# Altium PCB NZPP.PcbDoc (part 2 of 3) (continued)
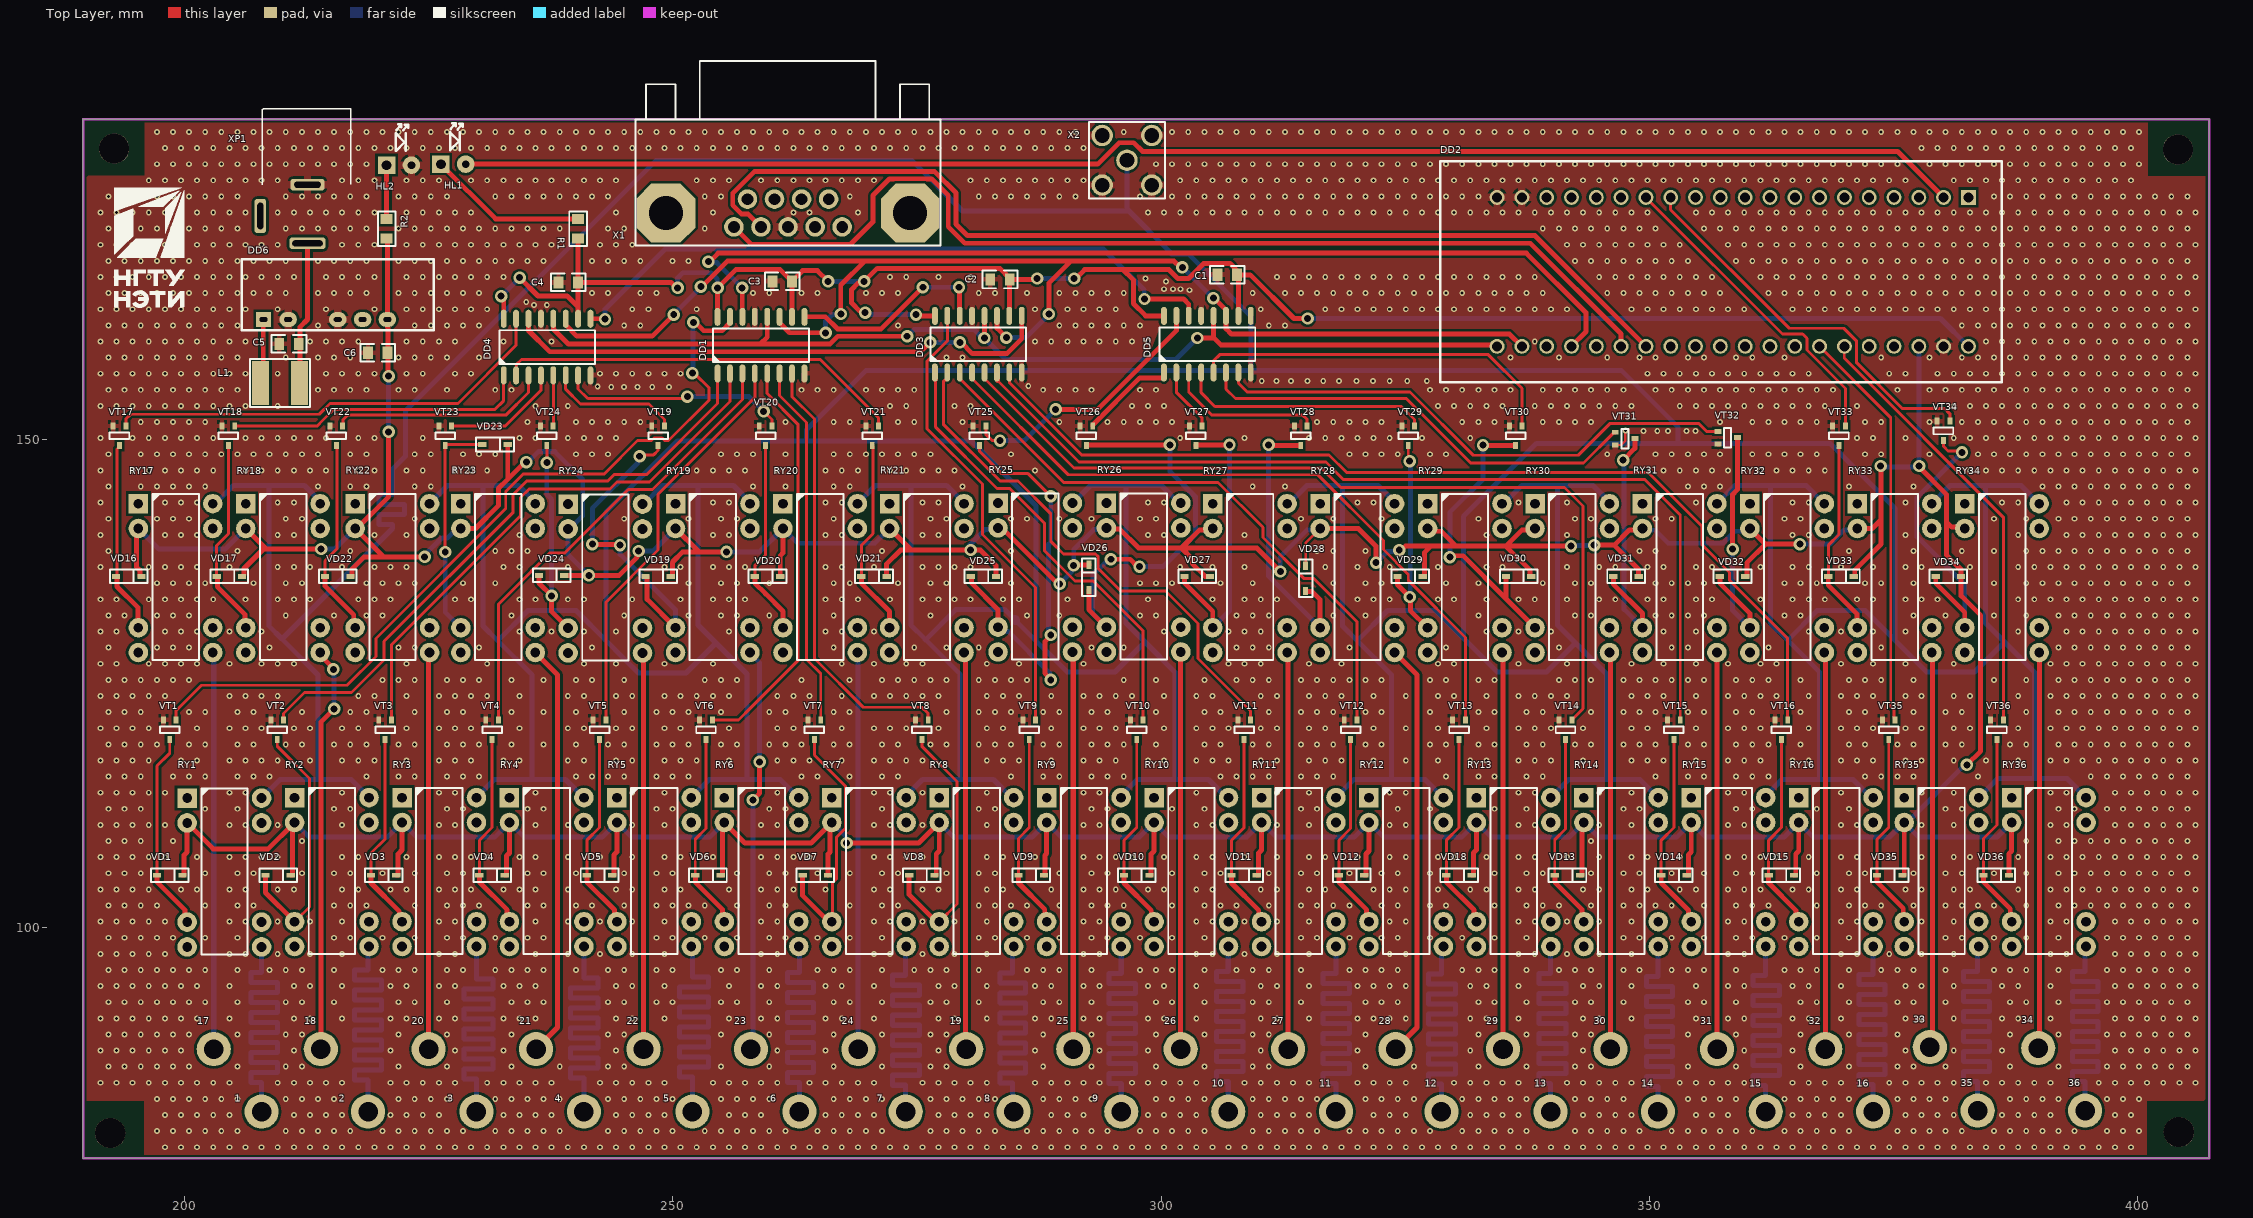
[diagram p0: Top Layer view]
## Nets (pads, with @x,y where several pads share a name; then routed paths per layer and width w, separated by ;. In a path a pad name is that pad's centre, name@x,y a point inside that pad or via, vN(x,y) a via of type N, cw(c..) or ccw(c..) an arc to the next point about the centre after c; other vN are vias at no path point) (continued)
249.975,115.5 251.625,115.5 263.175,115.5 264.825,115.5 268.108,115.5 271.425,115.5 273.075,115.5 284.625,115.5 287.925,115.5 289.575,115.5 292.875,115.5 294.525,115.5 296.175,115.5 306.075,115.5 307.725,115.5 309.375,115.5 311.025,115.5 314.325,115.5 315.975,115.5 317.625,115.5 329.175,115.5 332.475,115.5 334.125,115.5 337.425,115.5 339.075,115.5 350.625,115.5 353.925,115.5 355.575,115.5 358.875,115.5 360.525,115.5 362.175,115.5 372.075,115.5 373.725,115.5 375.375,115.5 377.025,115.5 383.625,115.5 395.175,115.5 396.825,115.5 398.475,115.5 400.125,115.5 401.775,115.5 403.425,115.5 405.075,115.5 191.4,117.15 193.05,117.15 194.7,117.15 196.35,117.15 199.65,117.15 201.3,117.15 204.6,117.15 206.25,117.15 207.9,117.15 209.55,117.15 212.85,117.15 216.15,117.15 217.8,117.15 219.45,117.15 222.75,117.15 226.05,117.15 227.7,117.15 229.35,117.15 232.65,117.15 234.3,117.15 239.25,117.15 240.9,117.15 244.2,117.15 245.85,117.15 249.15,117.15 250.8,117.15 252.45,117.15 255.75,117.15 260.7,117.15 262.35,117.15 264,117.15 267.3,117.15 270.6,117.15 272.25,117.15 273.9,117.15 275.55,117.15 282.15,117.15 283.8,117.15 285.45,117.15 288.75,117.15 292.05,117.15 293.7,117.15 295.35,117.15 298.65,117.15 300.3,117.15 303.6,117.15 305.25,117.15 306.9,117.15 310.2,117.15 311.85,117.15 315.15,117.15 316.8,117.15 318.45,117.15 321.75,117.15 325.05,117.15 328.35,117.15 331.65,117.15 333.3,117.15 336.6,117.15 338.25,117.15 339.9,117.15 343.2,117.15 348.15,117.15 349.8,117.15 351.45,117.15 354.75,117.15 358.05,117.15 359.7,117.15 361.35,117.15 364.65,117.15 366.3,117.15 369.6,117.15 371.25,117.15 372.9,117.15 376.2,117.15 377.85,117.15 381.15,117.15 384.45,117.15 387.75,117.15 391.05,117.15 392.7,117.15 394.35,117.15 396,117.15 397.65,117.15 399.3,117.15 400.95,117.15 402.6,117.15 404.25,117.15 405.9,117.15 192.225,118.8 193.875,118.8 195.525,118.8 197.175,118.8 200.475,118.8 202.125,118.8 205.425,118.8 207.075,118.8 210.375,118.8 212.025,118.8 215.325,118.8 216.975,118.8 218.625,118.8 221.925,118.8 223.575,118.8 226.875,118.8 228.525,118.8 230.175,118.8 233.475,118.8 236.775,118.8 240.075,118.8 243.375,118.8 245.025,118.8 248.325,118.8 249.975,118.8 251.625,118.8 254.925,118.8 256.575,118.8 259.875,118.8 261.525,118.8 263.175,118.8 266.475,118.8 268.108,118.8 271.425,118.8 273.075,118.8 276.375,118.8 278.025,118.8 281.325,118.8 282.975,118.8 284.625,118.8 287.925,118.8 289.575,118.8 292.875,118.8 294.525,118.8 296.175,118.8 299.475,118.8 304.425,118.8 306.075,118.8 309.375,118.8 311.025,118.8 314.325,118.8 315.975,118.8 317.625,118.8 320.925,118.8 322.575,118.8 327.525,118.8 329.175,118.8 332.475,118.8 334.125,118.8 337.425,118.8 339.075,118.8 342.375,118.8 344.025,118.8 347.325,118.8 348.975,118.8 350.625,118.8 353.925,118.8 355.575,118.8 358.875,118.8 360.525,118.8 362.175,118.8 365.475,118.8 370.425,118.8 372.075,118.8 375.375,118.8 377.025,118.8 380.325,118.8 381.975,118.8 386.925,118.8 388.575,118.8 391.875,118.8 393.525,118.8 395.175,118.8 396.825,118.8 398.475,118.8 400.125,118.8 401.775,118.8 403.425,118.8 405.075,118.8 191.4,120.45 193.05,120.45 194.7,120.45 196.35,120.45 201.3,120.45 204.6,120.45 206.25,120.45 207.9,120.45 211.2,120.45 212.85,120.45 216.15,120.45 217.8,120.45 222.75,120.45 226.05,120.45 227.7,120.45 229.35,120.45 234.3,120.45 239.25,120.45 240.9,120.45 244.2,120.45 245.85,120.45 249.15,120.45 250.8,120.45 255.75,120.45 260.7,120.45 262.35,120.45 267.3,120.45 270.6,120.45 272.25,120.45 273.9,120.45 277.2,120.45 282.15,120.45 283.8,120.45 288.75,120.45 292.05,120.45 293.7,120.45 295.35,120.45 300.3,120.45 303.6,120.45 305.25,120.45 306.9,120.45 310.2,120.45 311.85,120.45 315.15,120.45 316.8,120.45 321.75,120.45 325.05,120.45 328.35,120.45 333.3,120.45 336.6,120.45 338.25,120.45 339.9,120.45 343.2,120.45 348.15,120.45 349.8,120.45 354.75,120.45 358.05,120.45 359.7,120.45 361.35,120.45 366.3,120.45 369.6,120.45 371.25,120.45 372.9,120.45 376.2,120.45 377.85,120.45 381.15,120.45 382.8,120.45 387.75,120.45 391.05,120.45 392.7,120.45 394.35,120.45 396,120.45 397.65,120.45 399.3,120.45 400.95,120.45 402.6,120.45 404.25,120.45 405.9,120.45 192.225,122.1 193.875,122.1 195.525,122.1 200.475,122.1 202.125,122.1 205.425,122.1 207.075,122.1 212.025,122.1 216.975,122.1 218.625,122.1 223.575,122.1 226.875,122.1 228.525,122.1 233.475,122.1 236.775,122.1 240.075,122.1 245.025,122.1 248.325,122.1 249.975,122.1 251.625,122.1 254.925,122.1 259.875,122.1 261.525,122.1 266.475,122.1 268.108,122.1 278.025,122.1 281.325,122.1 282.975,122.1 284.625,122.1 287.925,122.1 289.575,122.1 292.875,122.1 294.525,122.1 299.475,122.1 304.425,122.1 306.075,122.1 311.025,122.1 314.325,122.1 315.975,122.1 317.625,122.1 320.925,122.1 322.575,122.1 327.525,122.1 332.475,122.1 334.125,122.1 337.425,122.1 339.075,122.1 344.025,122.1 347.325,122.1 348.975,122.1 350.625,122.1 353.925,122.1 355.575,122.1 358.875,122.1 360.525,122.1 365.475,122.1 370.425,122.1 372.075,122.1 377.025,122.1 380.325,122.1 381.975,122.1 388.575,122.1 391.875,122.1 393.525,122.1 395.175,122.1 396.825,122.1 398.475,122.1 400.125,122.1 401.775,122.1 403.425,122.1 405.075,122.1 191.4,123.75 193.05,123.75 194.7,123.75 196.35,123.75 198,123.75 204.6,123.75 206.25,123.75 207.9,123.75 209.55,123.75 217.8,123.75 219.45,123.75 222.75,123.75 226.05,123.75 227.7,123.75 229.35,123.75 231,123.75 234.3,123.75 239.25,123.75 240.9,123.75 244.2,123.75 245.85,123.75 249.15,123.75 250.8,123.75 252.45,123.75 254.1,123.75 255.75,123.75 260.7,123.75 262.35,123.75 264,123.75 267.3,123.75 270.6,123.75 272.25,123.75 273.9,123.75 275.55,123.75 277.2,123.75 282.15,123.75 283.8,123.75 285.45,123.75 288.75,123.75 292.05,123.75 293.7,123.75 295.35,123.75 297,123.75 300.3,123.75 303.6,123.75 305.25,123.75 310.2,123.75 311.85,123.75 315.15,123.75 316.8,123.75 318.45,123.75 321.75,123.75 325.05,123.75 328.35,123.75 330,123.75 333.3,123.75 336.6,123.75 338.25,123.75 339.9,123.75 341.55,123.75 348.15,123.75 349.8,123.75 351.45,123.75 354.75,123.75 358.05,123.75 359.7,123.75 361.35,123.75 363,123.75 366.3,123.75 369.6,123.75 371.25,123.75 372.9,123.75 376.2,123.75 377.85,123.75 381.15,123.75 382.8,123.75 387.75,123.75 391.05,123.75 392.7,123.75 394.35,123.75 396,123.75 397.65,123.75 399.3,123.75 400.95,123.75 402.6,123.75 404.25,123.75 405.9,123.75 192.225,125.4 193.875,125.4 195.525,125.4 197.175,125.4 198.825,125.4 200.475,125.4 220.275,125.4 221.925,125.4 223.575,125.4 226.875,125.4 228.525,125.4 230.175,125.4 233.475,125.4 236.775,125.4 240.075,125.4 241.725,125.4 245.025,125.4 253.275,125.4 254.925,125.4 256.575,125.4 263.175,125.4 268.108,125.4 271.425,125.4 273.075,125.4 274.725,125.4 276.375,125.4 278.025,125.4 281.325,125.4 282.975,125.4 284.625,125.4 286.275,125.4 296.175,125.4 299.475,125.4 304.425,125.4 307.725,125.4 309.375,125.4 311.025,125.4 314.325,125.4 315.975,125.4 317.625,125.4 319.275,125.4 320.925,125.4 322.575,125.4 327.525,125.4 329.175,125.4 332.475,125.4 334.125,125.4 340.725,125.4 342.375,125.4 344.025,125.4 347.325,125.4 348.975,125.4 350.625,125.4 352.275,125.4 353.925,125.4 355.575,125.4 358.875,125.4 360.525,125.4 362.175,125.4 365.475,125.4 370.425,125.4 372.075,125.4 373.725,125.4 377.025,125.4 385.275,125.4 388.575,125.4 391.875,125.4 393.525,125.4 395.175,125.4 396.825,125.4 398.475,125.4 400.125,125.4 401.775,125.4 403.425,125.4 405.075,125.4 191.4,127.05 193.05,127.05 196.35,127.05 198,127.05 199.65,127.05 201.3,127.05 204.6,127.05 207.9,127.05 209.55,127.05 211.2,127.05 222.75,127.05 231,127.05 240.9,127.05 244.2,127.05 249.15,127.05 254.1,127.05 267.3,127.05 270.6,127.05 273.9,127.05 275.55,127.05 282.15,127.05 285.45,127.05 292.05,127.05 306.9,127.05 308.55,127.05 310.2,127.05 315.15,127.05 318.45,127.05 328.35,127.05 330,127.05 336.6,127.05 341.55,127.05 348.15,127.05 351.45,127.05 354.75,127.05 358.05,127.05 361.35,127.05 363,127.05 369.6,127.05 372.9,127.05 376.2,127.05 381.15,127.05 391.05,127.05 392.7,127.05 394.35,127.05 396,127.05 397.65,127.05 399.3,127.05 400.95,127.05 402.6,127.05 404.25,127.05 405.9,127.05 192.225,128.7 197.175,128.7 198.825,128.7 200.475,128.7 208.725,128.7 221.925,128.7 223.575,128.7 230.175,128.7 241.725,128.7 266.475,128.7 274.725,128.7 278.025,128.7 281.325,128.7 292.875,128.7 296.175,128.7 307.725,128.7 309.375,128.7 311.025,128.7 319.275,128.7 329.175,128.7 340.725,128.7 352.275,128.7 353.925,128.7 362.175,128.7 373.725,128.7 391.875,128.7 393.525,128.7 395.175,128.7 396.825,128.7 398.475,128.7 400.125,128.7 401.775,128.7 403.425,128.7 405.075,128.7 191.4,130.35 193.05,130.35 198,130.35 199.65,130.35 201.3,130.35 204.6,130.35 207.9,130.35 234.3,130.35 237.6,130.35 240.9,130.35 244.2,130.35 255.75,130.35 265.65,130.35 267.3,130.35 270.6,130.35 300.3,130.35 306.9,130.35 308.55,130.35 310.2,130.35 333.3,130.35 336.6,130.35 339.9,130.35 351.45,130.35 354.75,130.35 366.3,130.35 369.6,130.35 372.9,130.35 376.2,130.35 387.75,130.35 392.7,130.35 394.35,130.35 396,130.35 397.65,130.35 399.3,130.35 400.95,130.35 402.6,130.35 404.25,130.35 405.9,130.35 192.225,132 193.875,132 197.175,132 198.825,132 200.475,132 210.375,132 215.325,132 218.625,132 220.275,132 233.475,132 245.025,132 251.625,132 254.925,132 256.575,132 259.875,132 266.475,132 276.375,132 286.275,132 289.575,132 297.825,132 299.475,132 307.725,132 309.375,132 311.025,132 317.625,132 320.925,132 332.475,132 342.375,132 344.025,132 350.625,132 352.275,132 353.925,132 355.575,132 363.825,132 365.475,132 377.025,132 380.325,132 385.275,132 388.575,132 391.875,132 393.525,132 395.175,132 396.825,132 398.475,132 400.125,132 401.775,132 403.425,132 405.075,132 191.4,133.65 193.05,133.65 196.35,133.65 198,133.65 199.65,133.65 201.3,133.65 202.95,133.65 206.25,133.65 209.55,133.65 211.2,133.65 212.85,133.65 217.8,133.65 219.45,133.65 221.1,133.65 227.7,133.65 229.35,133.65 234.3,133.65 235.95,133.65 239.25,133.65 240.9,133.65 245.85,133.65 250.8,133.65 254.1,133.65 255.75,133.65 257.4,133.65 265.65,133.65 267.3,133.65 268.95,133.65 272.25,133.65 275.55,133.65 277.2,133.65 278.85,133.65 280.5,133.65 283.8,133.65 285.45,133.65 290.4,133.65 298.65,133.65 305.25,133.65 308.55,133.65 310.2,133.65 311.85,133.65 320.1,133.65 321.75,133.65 323.4,133.65 328.35,133.65 330,133.65 333.3,133.65 336.6,133.65 338.25,133.65 341.55,133.65 344.85,133.65 346.5,133.65 349.8,133.65 351.45,133.65 354.75,133.65 356.4,133.65 361.35,133.65 364.65,133.65 366.3,133.65 367.95,133.65 371.25,133.65 372.9,133.65 376.2,133.65 377.85,133.65 379.5,133.65 387.75,133.65 389.4,133.65 391.05,133.65 392.7,133.65 394.35,133.65 396,133.65 397.65,133.65 399.3,133.65 400.95,133.65 402.6,133.65 404.25,133.65 405.9,133.65 197.175,135.3 198.825,135.3 200.475,135.3 202.125,135.3 207.075,135.3 210.375,135.3 212.025,135.3 218.625,135.3 220.275,135.3 221.925,135.3 223.575,135.3 228.525,135.3 231.825,135.3 251.625,135.3 254.925,135.3 256.575,135.3 259.875,135.3 266.475,135.3 268.125,135.3 273.075,135.3 276.375,135.3 278.025,135.3 284.625,135.3 297.825,135.3 299.475,135.3 301.125,135.3 306.075,135.3 309.375,135.3 317.625,135.3 320.925,135.3 322.575,135.3 329.175,135.3 332.475,135.3 339.075,135.3 342.375,135.3 344.025,135.3 350.625,135.3 352.275,135.3 353.925,135.3 355.575,135.3 363.825,135.3 365.475,135.3 367.125,135.3 372.075,135.3 373.725,135.3 377.025,135.3 385.275,135.3 388.575,135.3 390.225,135.3 391.875,135.3 393.525,135.3 395.175,135.3 396.825,135.3 398.475,135.3 400.125,135.3 401.775,135.3 403.425,135.3 405.075,135.3 191.4,136.95 196.35,136.95 198,136.95 199.65,136.95 201.3,136.95 204.6,136.95 209.55,136.95 211.2,136.95 212.85,136.95 216.15,136.95 219.45,136.95 221.1,136.95 222.75,136.95 232.65,136.95 234.3,136.95 239.25,136.95 249.15,136.95 250.8,136.95 254.1,136.95 255.75,136.95 257.4,136.95 265.65,136.95 267.3,136.95 270.6,136.95 275.55,136.95 277.2,136.95 278.85,136.95 280.5,136.95 301.95,136.95 305.25,136.95 308.55,136.95 316.8,136.95 320.1,136.95 323.4,136.95 328.35,136.95 333.3,136.95 334.95,136.95 341.55,136.95 344.85,136.95 346.5,136.95 349.8,136.95 351.45,136.95 354.75,136.95 356.4,136.95 361.35,136.95 364.65,136.95 366.3,136.95 369.6,136.95 372.9,136.95 376.2,136.95 377.85,136.95 382.8,136.95 387.75,136.95 389.4,136.95 391.05,136.95 392.7,136.95 394.35,136.95 396,136.95 397.65,136.95 399.3,136.95 400.95,136.95 402.6,136.95 404.25,136.95 405.9,136.95 192.225,138.6 205.425,138.6 216.975,138.6 231.825,138.6 233.475,138.6 235.125,138.6 271.425,138.6 284.625,138.6 315.975,138.6 317.625,138.6 320.925,138.6 348.975,138.6 350.625,138.6 370.425,138.6 377.025,138.6 381.975,138.6 385.275,138.6 388.575,138.6 390.225,138.6 391.875,138.6 393.525,138.6 395.175,138.6 396.825,138.6 398.475,138.6 400.125,138.6 401.775,138.6 403.425,138.6 405.075,138.6 191.4,140.25 198,140.25 199.65,140.25 201.3,140.25 209.55,140.25 211.2,140.25 219.45,140.25 222.75,140.25 234.3,140.25 254.1,140.25 255.75,140.25 265.65,140.25 267.3,140.25 275.55,140.25 277.2,140.25 298.65,140.25 300.3,140.25 308.55,140.25 333.3,140.25 341.55,140.25 364.65,140.25 366.3,140.25 376.2,140.25 387.75,140.25 392.7,140.25 394.35,140.25 396,140.25 397.65,140.25 399.3,140.25 400.95,140.25 402.6,140.25 404.25,140.25 405.9,140.25 192.225,141.9 197.175,141.9 198.825,141.9 200.475,141.9 210.375,141.9 212.025,141.9 223.575,141.9 245.025,141.9 251.625,141.9 254.925,141.9 256.575,141.9 266.475,141.9 276.375,141.9 278.025,141.9 284.625,141.9 286.275,141.9 289.575,141.9 292.875,141.9 297.825,141.9 299.475,141.9 314.325,141.9 317.625,141.9 322.575,141.9 332.475,141.9 342.375,141.9 344.025,141.9 350.625,141.9 352.275,141.9 363.825,141.9 365.475,141.9 385.275,141.9 388.575,141.9 391.875,141.9 393.525,141.9 395.175,141.9 396.825,141.9 398.475,141.9 400.125,141.9 401.775,141.9 403.425,141.9 405.075,141.9 191.4,143.55 198,143.55 199.65,143.55 201.3,143.55 209.55,143.55 211.2,143.55 254.1,143.55 255.75,143.55 265.65,143.55 267.3,143.55 275.55,143.55 277.2,143.55 298.65,143.55 300.3,143.55 320.1,143.55 321.75,143.55 336.6,143.55 341.55,143.55 354.75,143.55 364.65,143.55 366.3,143.55 376.2,143.55 386.1,143.55 387.75,143.55 392.7,143.55 394.35,143.55 396,143.55 397.65,143.55 399.3,143.55 400.95,143.55 402.6,143.55 404.25,143.55 405.9,143.55 192.225,145.2 195.525,145.2 197.175,145.2 198.825,145.2 200.475,145.2 202.125,145.2 213.675,145.2 216.975,145.2 218.625,145.2 223.575,145.2 225.225,145.2 258.225,145.2 261.525,145.2 266.475,145.2 268.125,145.2 279.675,145.2 309.375,145.2 312.675,145.2 353.925,145.2 355.575,145.2 357.225,145.2 370.425,145.2 377.025,145.2 390.225,145.2 391.875,145.2 393.525,145.2 395.175,145.2 396.825,145.2 398.475,145.2 400.125,145.2 401.775,145.2 403.425,145.2 405.075,145.2 191.4,146.85 194.7,146.85 196.35,146.85 198,146.85 199.65,146.85 201.3,146.85 202.95,146.85 206.25,146.85 207.9,146.85 209.55,146.85 211.2,146.85 212.85,146.85 214.5,146.85 217.8,146.85 219.45,146.85 222.75,146.85 224.4,146.85 227.7,146.85 229.35,146.85 231,146.85 252.45,146.85 254.1,146.85 255.75,146.85 257.4,146.85 260.7,146.85 265.65,146.85 267.3,146.85 268.95,146.85 272.25,146.85 273.9,146.85 275.55,146.85 277.2,146.85 278.85,146.85 287.1,146.85 351.45,146.85 353.1,146.85 354.75,146.85 356.4,146.85 358.05,146.85 361.35,146.85 363,146.85 364.65,146.85 366.3,146.85 367.95,146.85 382.8,146.85 384.45,146.85 386.1,146.85 387.75,146.85 389.4,146.85 391.05,146.85 392.7,146.85 394.35,146.85 396,146.85 397.65,146.85 399.3,146.85 400.95,146.85 402.6,146.85 404.25,146.85 405.9,146.85 192.225,148.5 195.525,148.5 197.175,148.5 198.825,148.5 200.475,148.5 202.125,148.5 203.775,148.5 205.425,148.5 207.075,148.5 208.725,148.5 210.375,148.5 212.025,148.5 213.675,148.5 216.975,148.5 218.625,148.5 223.575,148.5 225.225,148.5 228.525,148.5 230.175,148.5 231.825,148.5 240.075,148.5 241.725,148.5 243.375,148.5 254.925,148.5 256.575,148.5 258.225,148.5 261.525,148.5 266.475,148.5 268.125,148.5 269.775,148.5 271.425,148.5 273.075,148.5 274.725,148.5 276.375,148.5 284.625,148.5 319.275,148.5 320.925,148.5 322.575,148.5 324.225,148.5 327.525,148.5 329.175,148.5 345.675,148.5 350.625,148.5 352.275,148.5 353.925,148.5 355.575,148.5 357.225,148.5 360.525,148.5 362.175,148.5 363.825,148.5 365.475,148.5 367.125,148.5 372.075,148.5 373.725,148.5 378.675,148.5 383.625,148.5 385.275,148.5 386.925,148.5 388.575,148.5 390.225,148.5 391.875,148.5 393.525,148.5 395.175,148.5 396.825,148.5 398.475,148.5 400.125,148.5 401.775,148.5 403.425,148.5 405.075,148.5 191.4,150.15 194.7,150.15 196.35,150.15 198,150.15 199.65,150.15 201.3,150.15 202.95,150.15 206.25,150.15 207.9,150.15 209.55,150.15 211.2,150.15 212.85,150.15 214.5,150.15 217.8,150.15 219.45,150.15 224.4,150.15 234.3,150.15 235.95,150.15 239.25,150.15 240.9,150.15 242.55,150.15 244.2,150.15 301.95,150.15 308.55,150.15 315.15,150.15 316.8,150.15 318.45,150.15 320.1,150.15 321.75,150.15 323.4,150.15 326.7,150.15 331.65,150.15 371.25,150.15 372.9,150.15 376.2,150.15 381.15,150.15 382.8,150.15 384.45,150.15 386.1,150.15 387.75,150.15 389.4,150.15 391.05,150.15 392.7,150.15 394.35,150.15 396,150.15 397.65,150.15 399.3,150.15 400.95,150.15 402.6,150.15 404.25,150.15 405.9,150.15 349.4,150.9 350.8,150.9 351.9,150.9 353.8,150.9 354.7,150.9 195.525,151.8 197.175,151.8 198.825,151.8 200.475,151.8 202.125,151.8 235.125,151.8 240.075,151.8 241.725,151.8 243.375,151.8 245.025,151.8 246.675,151.8 261.525,151.8 266.475,151.8 268.125,151.8 273.075,151.8 274.725,151.8 279.675,151.8 289.575,151.8 294.525,151.8 296.175,151.8 297.825,151.8 299.475,151.8 301.125,151.8 315.975,151.8 317.625,151.8 319.275,151.8 320.925,151.8 322.575,151.8 330.825,151.8 332.475,151.8 334.125,151.8 339.075,151.8 340.725,151.8 342.375,151.8 344.025,151.8 357.225,151.8 360.525,151.8 362.175,151.8 363.825,151.8 365.475,151.8 367.125,151.8 372.075,151.8 373.725,151.8 378.675,151.8 381.975,151.8 383.625,151.8 385.275,151.8 386.925,151.8 388.575,151.8 390.225,151.8 391.875,151.8 393.525,151.8 395.175,151.8 396.825,151.8 398.475,151.8 400.125,151.8 401.775,151.8 403.425,151.8 405.075,151.8 191.4,153.45 193.05,153.45 194.7,153.45 196.35,153.45 198,153.45 199.65,153.45 201.3,153.45 202.95,153.45 204.6,153.45 206.25,153.45 209.55,153.45 235.95,153.45 239.25,153.45 272.25,153.45 273.9,153.45 278.85,153.45 280.5,153.45 297,153.45 298.65,153.45 300.3,153.45 328.35,153.45 330,153.45 331.65,153.45 333.3,153.45 334.95,153.45 338.25,153.45 339.9,153.45 341.55,153.45 343.2,153.45 344.85,153.45 346.5,153.45 348.15,153.45 353.1,153.45 354.75,153.45 356.4,153.45 358.05,153.45 359.7,153.45 361.35,153.45 363,153.45 364.65,153.45 366.3,153.45 367.95,153.45 371.25,153.45 381.15,153.45 382.8,153.45 384.45,153.45 386.1,153.45 387.75,153.45 389.4,153.45 391.05,153.45 392.7,153.45 394.35,153.45 396,153.45 397.65,153.45 399.3,153.45 400.95,153.45 402.6,153.45 404.25,153.45 405.9,153.45 192.225,155.1 193.875,155.1 195.525,155.1 197.175,155.1 198.825,155.1 200.475,155.1 202.125,155.1 203.775,155.1 205.425,155.1 213.675,155.1 215.325,155.1 216.975,155.1 218.625,155.1 221.925,155.1 223.575,155.1 226.875,155.1 231.825,155.1 233.475,155.1 263.175,155.1 264.825,155.1 266.475,155.1 269.775,155.1 271.425,155.1 273.075,155.1 274.725,155.1 287.925,155.1 289.575,155.1 291.225,155.1 292.875,155.1 297.825,155.1 299.475,155.1 327.525,155.1 329.175,155.1 330.825,155.1 332.475,155.1 334.125,155.1 335.775,155.1 339.075,155.1 340.725,155.1 342.375,155.1 344.025,155.1 345.675,155.1 347.325,155.1 350.625,155.1 352.275,155.1 353.925,155.1 355.575,155.1 357.225,155.1 358.875,155.1 360.525,155.1 362.175,155.1 363.825,155.1 365.475,155.1 367.125,155.1 368.775,155.1 375.375,155.1 378.675,155.1 380.325,155.1 381.975,155.1 383.625,155.1 385.275,155.1 386.925,155.1 388.575,155.1 390.225,155.1 391.875,155.1 393.525,155.1 395.175,155.1 396.825,155.1 398.475,155.1 400.125,155.1 401.775,155.1 403.425,155.1 405.075,155.1 243.7,155.4 245,155.4 246.4,155.4 247.9,155.4 249.6,155.4 242.31,155.425 286.4,155.5 310.3,156 311.8,156 313.3,156 315,156 316.6,156 318.2,156 320,156 321.7,156 323.4,156 325.2,156 327.2,156 191.4,156.75 193.05,156.75 194.7,156.75 196.35,156.75 198,156.75 199.65,156.75 201.3,156.75 202.95,156.75 204.6,156.75 206.25,156.75 209.55,156.75 214.5,156.75 216.15,156.75 217.8,156.75 219.45,156.75 222.75,156.75 224.4,156.75 227.7,156.75 229.35,156.75 242.55,156.75 244.2,156.75 245.85,156.75 247.5,156.75 249.15,156.75 250.8,156.75 349.8,156.75 351.45,156.75 353.1,156.75 354.75,156.75 356.4,156.75 358.05,156.75 359.7,156.75 361.35,156.75 363,156.75 364.65,156.75 366.3,156.75 374.55,156.75 376.2,156.75 379.5,156.75 381.15,156.75 382.8,156.75 384.45,156.75 386.1,156.75 387.75,156.75 389.4,156.75 391.05,156.75 392.7,156.75 394.35,156.75 396,156.75 397.65,156.75 399.3,156.75 400.95,156.75 402.6,156.75 404.25,156.75 405.9,156.75 192.225,158.4 193.875,158.4 195.525,158.4 197.175,158.4 198.825,158.4 200.475,158.4 202.125,158.4 203.775,158.4 205.425,158.4 210.375,158.4 213.675,158.4 215.325,158.4 216.975,158.4 221.925,158.4 223.575,158.4 225.225,158.4 226.875,158.4 230.175,158.4 278.025,158.4 279.675,158.4 335.775,158.4 340.725,158.4 345.675,158.4 348.975,158.4 350.625,158.4 353.925,158.4 355.575,158.4 358.875,158.4 360.525,158.4 363.825,158.4 373.725,158.4 378.675,158.4 381.975,158.4 383.625,158.4 385.275,158.4 386.925,158.4 388.575,158.4 390.225,158.4 391.875,158.4 393.525,158.4 395.175,158.4 396.825,158.4 398.475,158.4 400.125,158.4 401.775,158.4 403.425,158.4 405.075,158.4 191.4,160.05 193.05,160.05 194.7,160.05 196.35,160.05 198,160.05 199.65,160.05 201.3,160.05 202.95,160.05 204.6,160.05 206.25,160.05 212.85,160.05 214.5,160.05 216.15,160.05 217.8,160.05 222.75,160.05 224.4,160.05 226.05,160.05 227.7,160.05 231,160.05 232.65,160.05 237.6,160.05 287.1,160.05 288.75,160.05 290.4,160.05 292.05,160.05 293.7,160.05 295.35,160.05 297,160.05 298.65,160.05 338.25,160.05 384.45,160.05 386.1,160.05 387.75,160.05 389.4,160.05 391.05,160.05 392.7,160.05 394.35,160.05 396,160.05 397.65,160.05 399.3,160.05 400.95,160.05 402.6,160.05 404.25,160.05 405.9,160.05 192.225,161.7 193.875,161.7 195.525,161.7 197.175,161.7 198.825,161.7 200.475,161.7 202.125,161.7 203.775,161.7 205.425,161.7 213.675,161.7 223.575,161.7 225.225,161.7 226.875,161.7 228.525,161.7 230.175,161.7 245.025,161.7 246.675,161.7 273.075,161.7 289.575,161.7 291.225,161.7 292.875,161.7 294.525,161.7 296.175,161.7 297.825,161.7 311.025,161.7 312.675,161.7 381.975,161.7 383.625,161.7 385.275,161.7 386.925,161.7 388.575,161.7 390.225,161.7 391.875,161.7 393.525,161.7 395.175,161.7 396.825,161.7 398.475,161.7 400.125,161.7 401.775,161.7 403.425,161.7 405.075,161.7 191.4,163.35 193.05,163.35 194.7,163.35 196.35,163.35 198,163.35 199.65,163.35 201.3,163.35 202.95,163.35 204.6,163.35 206.25,163.35 209.55,163.35 214.5,163.35 219.45,163.35 222.75,163.35 224.4,163.35 226.05,163.35 227.7,163.35 229.35,163.35 231,163.35 245.85,163.35 247.5,163.35 252.45,163.35 287.1,163.35 290.4,163.35 292.05,163.35 293.7,163.35 295.35,163.35 310.2,163.35 316.8,163.35 318.45,163.35 320.1,163.35 321.75,163.35 323.4,163.35 325.05,163.35 326.7,163.35 328.35,163.35 330,163.35 331.65,163.35 333.3,163.35 334.95,163.35 336.6,163.35 338.25,163.35 339.9,163.35 341.55,163.35 348.15,163.35 349.8,163.35 351.45,163.35 353.1,163.35 354.75,163.35 356.4,163.35 358.05,163.35 359.7,163.35 364.65,163.35 366.3,163.35 367.95,163.35 369.6,163.35 371.25,163.35 372.9,163.35 374.55,163.35 376.2,163.35 377.85,163.35 379.5,163.35 381.15,163.35 382.8,163.35 384.45,163.35 386.1,163.35 387.75,163.35 389.4,163.35 391.05,163.35 392.7,163.35 394.35,163.35 396,163.35 397.65,163.35 399.3,163.35 400.95,163.35 402.6,163.35 404.25,163.35 405.9,163.35 235.8,163.8 237.1,163.8 235,164.1 192.225,165 193.875,165 195.525,165 197.175,165 198.825,165 200.475,165 202.125,165 203.775,165 205.425,165 207.075,165 208.725,165 210.375,165 213.675,165 215.325,165 216.975,165 218.625,165 221.925,165 223.575,165 225.225,165 226.875,165 228.525,165 230.175,165 241.725,165 243.375,165 246.675,165 248.325,165 258.225,165 259.875,165 263.175,165 264.825,165 269.775,165 271.425,165 273.075,165 281.325,165 282.975,165 286.275,165 289.575,165 291.225,165 292.875,165 294.525,165 296.175,165 309.375,165 312.675,165 314.325,165 315.975,165 317.625,165 319.275,165 320.925,165 322.575,165 324.225,165 325.875,165 327.525,165 329.175,165 330.825,165 332.475,165 334.125,165 335.775,165 337.425,165 339.075,165 345.675,165 347.325,165 348.975,165 350.625,165 352.275,165 353.925,165 355.575,165 357.225,165 362.175,165 363.825,165 365.475,165 367.125,165 368.775,165 370.425,165 372.075,165 373.725,165 375.375,165 377.025,165 378.675,165 380.325,165 381.975,165 383.625,165 385.275,165 386.925,165 388.575,165 390.225,165 391.875,165 393.525,165 395.175,165 396.825,165 398.475,165 400.125,165 401.775,165 403.425,165 405.075,165 302.9,165.3 300.3,165.4 301.2,165.4 302,165.4 300.5,166.2 298.4,166.5 191.4,166.65 193.05,166.65 194.7,166.65 196.35,166.65 198,166.65 199.65,166.65 201.3,166.65 202.95,166.65 204.6,166.65 206.25,166.65 207.9,166.65 209.55,166.65 211.2,166.65 214.5,166.65 216.15,166.65 217.8,166.65 219.45,166.65 222.75,166.65 224.4,166.65 226.05,166.65 227.7,166.65 229.35,166.65 231,166.65 232.65,166.65 272.25,166.65 273.9,166.65 277.2,166.65 280.5,166.65 311.85,166.65 313.5,166.65 315.15,166.65 316.8,166.65 318.45,166.65 320.1,166.65 321.75,166.65 323.4,166.65 325.05,166.65 326.7,166.65 328.35,166.65 330,166.65 331.65,166.65 333.3,166.65 334.95,166.65 336.6,166.65 338.25,166.65 344.85,166.65 346.5,166.65 348.15,166.65 349.8,166.65 351.45,166.65 353.1,166.65 354.75,166.65 356.4,166.65 361.35,166.65 363,166.65 364.65,166.65 366.3,166.65 367.95,166.65 369.6,166.65 371.25,166.65 372.9,166.65 374.55,166.65 376.2,166.65 377.85,166.65 379.5,166.65 381.15,166.65 382.8,166.65 384.45,166.65 386.1,166.65 387.75,166.65 389.4,166.65 391.05,166.65 392.7,166.65 394.35,166.65 396,166.65 397.65,166.65 399.3,166.65 400.95,166.65 402.6,166.65 404.25,166.65 405.9,166.65 192.225,168.3 193.875,168.3 195.525,168.3 197.175,168.3 198.825,168.3 200.475,168.3 202.125,168.3 203.775,168.3 205.425,168.3 207.075,168.3 208.725,168.3 210.375,168.3 213.675,168.3 215.325,168.3 216.975,168.3 218.625,168.3 221.925,168.3 223.575,168.3 225.225,168.3 226.875,168.3 228.525,168.3 230.175,168.3 231.825,168.3 233.475,168.3 235.125,168.3 236.775,168.3 241.725,168.3 243.375,168.3 245.025,168.3 246.675,168.3 249.975,168.3 251.625,168.3 342.375,168.3 344.025,168.3 345.675,168.3 347.325,168.3 348.975,168.3 350.625,168.3 352.275,168.3 353.925,168.3 358.875,168.3 360.525,168.3 362.175,168.3 363.825,168.3 365.475,168.3 367.125,168.3 368.775,168.3 370.425,168.3 372.075,168.3 373.725,168.3 375.375,168.3 377.025,168.3 378.675,168.3 380.325,168.3 381.975,168.3 383.625,168.3 385.275,168.3 386.925,168.3 388.575,168.3 390.225,168.3 391.875,168.3 393.525,168.3 395.175,168.3 396.825,168.3 398.475,168.3 400.125,168.3 401.775,168.3 403.425,168.3 405.075,168.3 191.4,169.95 193.05,169.95 194.7,169.95 196.35,169.95 198,169.95 199.65,169.95 201.3,169.95 202.95,169.95 204.6,169.95 206.25,169.95 207.9,169.95 209.55,169.95 216.15,169.95 217.8,169.95 219.45,169.95 222.75,169.95 224.4,169.95 226.05,169.95 227.7,169.95 229.35,169.95 231,169.95 232.65,169.95 234.3,169.95 235.95,169.95 237.6,169.95 242.55,169.95 244.2,169.95 245.85,169.95 341.55,169.95 343.2,169.95 344.85,169.95 346.5,169.95 348.15,169.95 349.8,169.95 351.45,169.95 353.1,169.95 358.05,169.95 359.7,169.95 361.35,169.95 363,169.95 364.65,169.95 366.3,169.95 367.95,169.95 369.6,169.95 371.25,169.95 372.9,169.95 374.55,169.95 376.2,169.95 377.85,169.95 379.5,169.95 381.15,169.95 382.8,169.95 384.45,169.95 386.1,169.95 387.75,169.95 389.4,169.95 391.05,169.95 392.7,169.95 394.35,169.95 396,169.95 397.65,169.95 399.3,169.95 400.95,169.95 402.6,169.95 404.25,169.95 405.9,169.95 192.225,171.6 193.875,171.6 195.525,171.6 197.175,171.6 198.825,171.6 200.475,171.6 202.125,171.6 203.775,171.6 205.425,171.6 210.375,171.6 212.025,171.6 213.675,171.6 215.325,171.6 216.975,171.6 218.625,171.6 221.925,171.6 223.575,171.6 225.225,171.6 226.875,171.6 228.525,171.6 230.175,171.6 231.825,171.6 233.475,171.6